# Altium PCB CC_V1.4.PcbDoc (part 1 of 8)
Units mm, origin at the board's own origin, x right, y up, seen from the top; angles counter-clockwise.
Board outline 145 x 123.85 mm, 4 copper layers (Top, GND, Power Plane, Bottom), stack 1.573 mm thick; 334 components, 307 nets, 1570 pads, 1725 vias.
Unrouted connection lines stored in the file: 33.
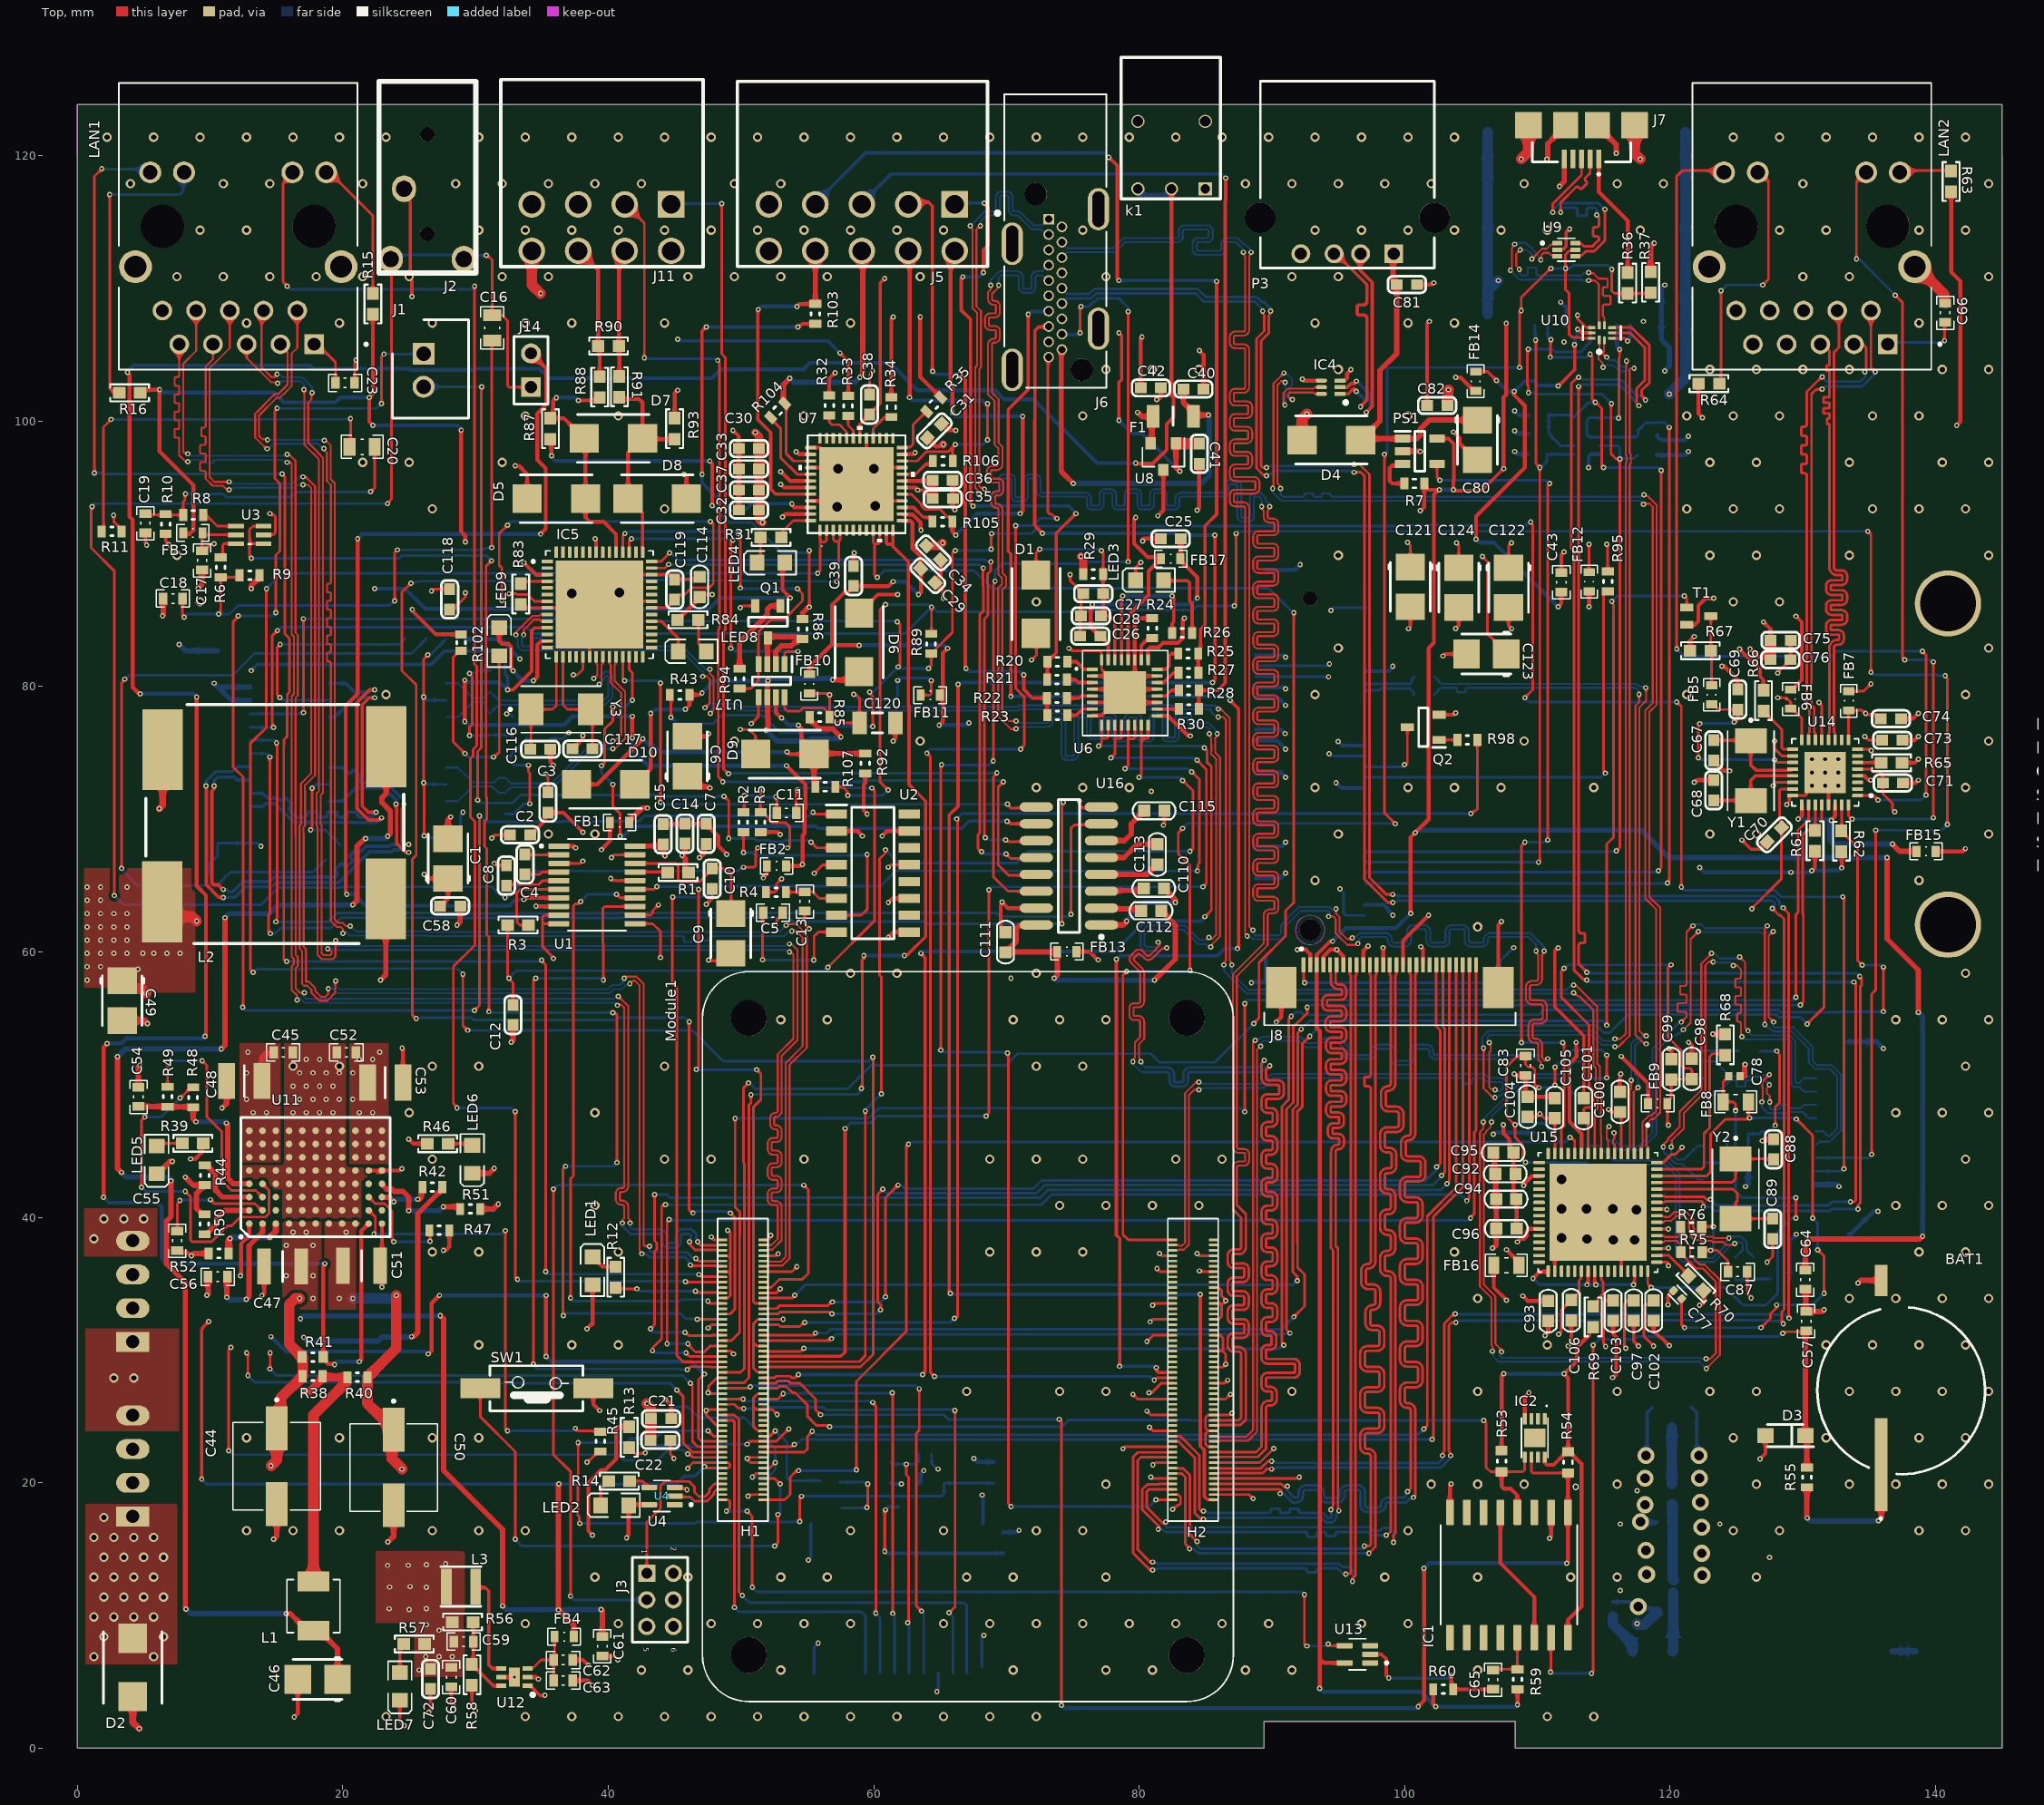
[diagram p0: Top view]
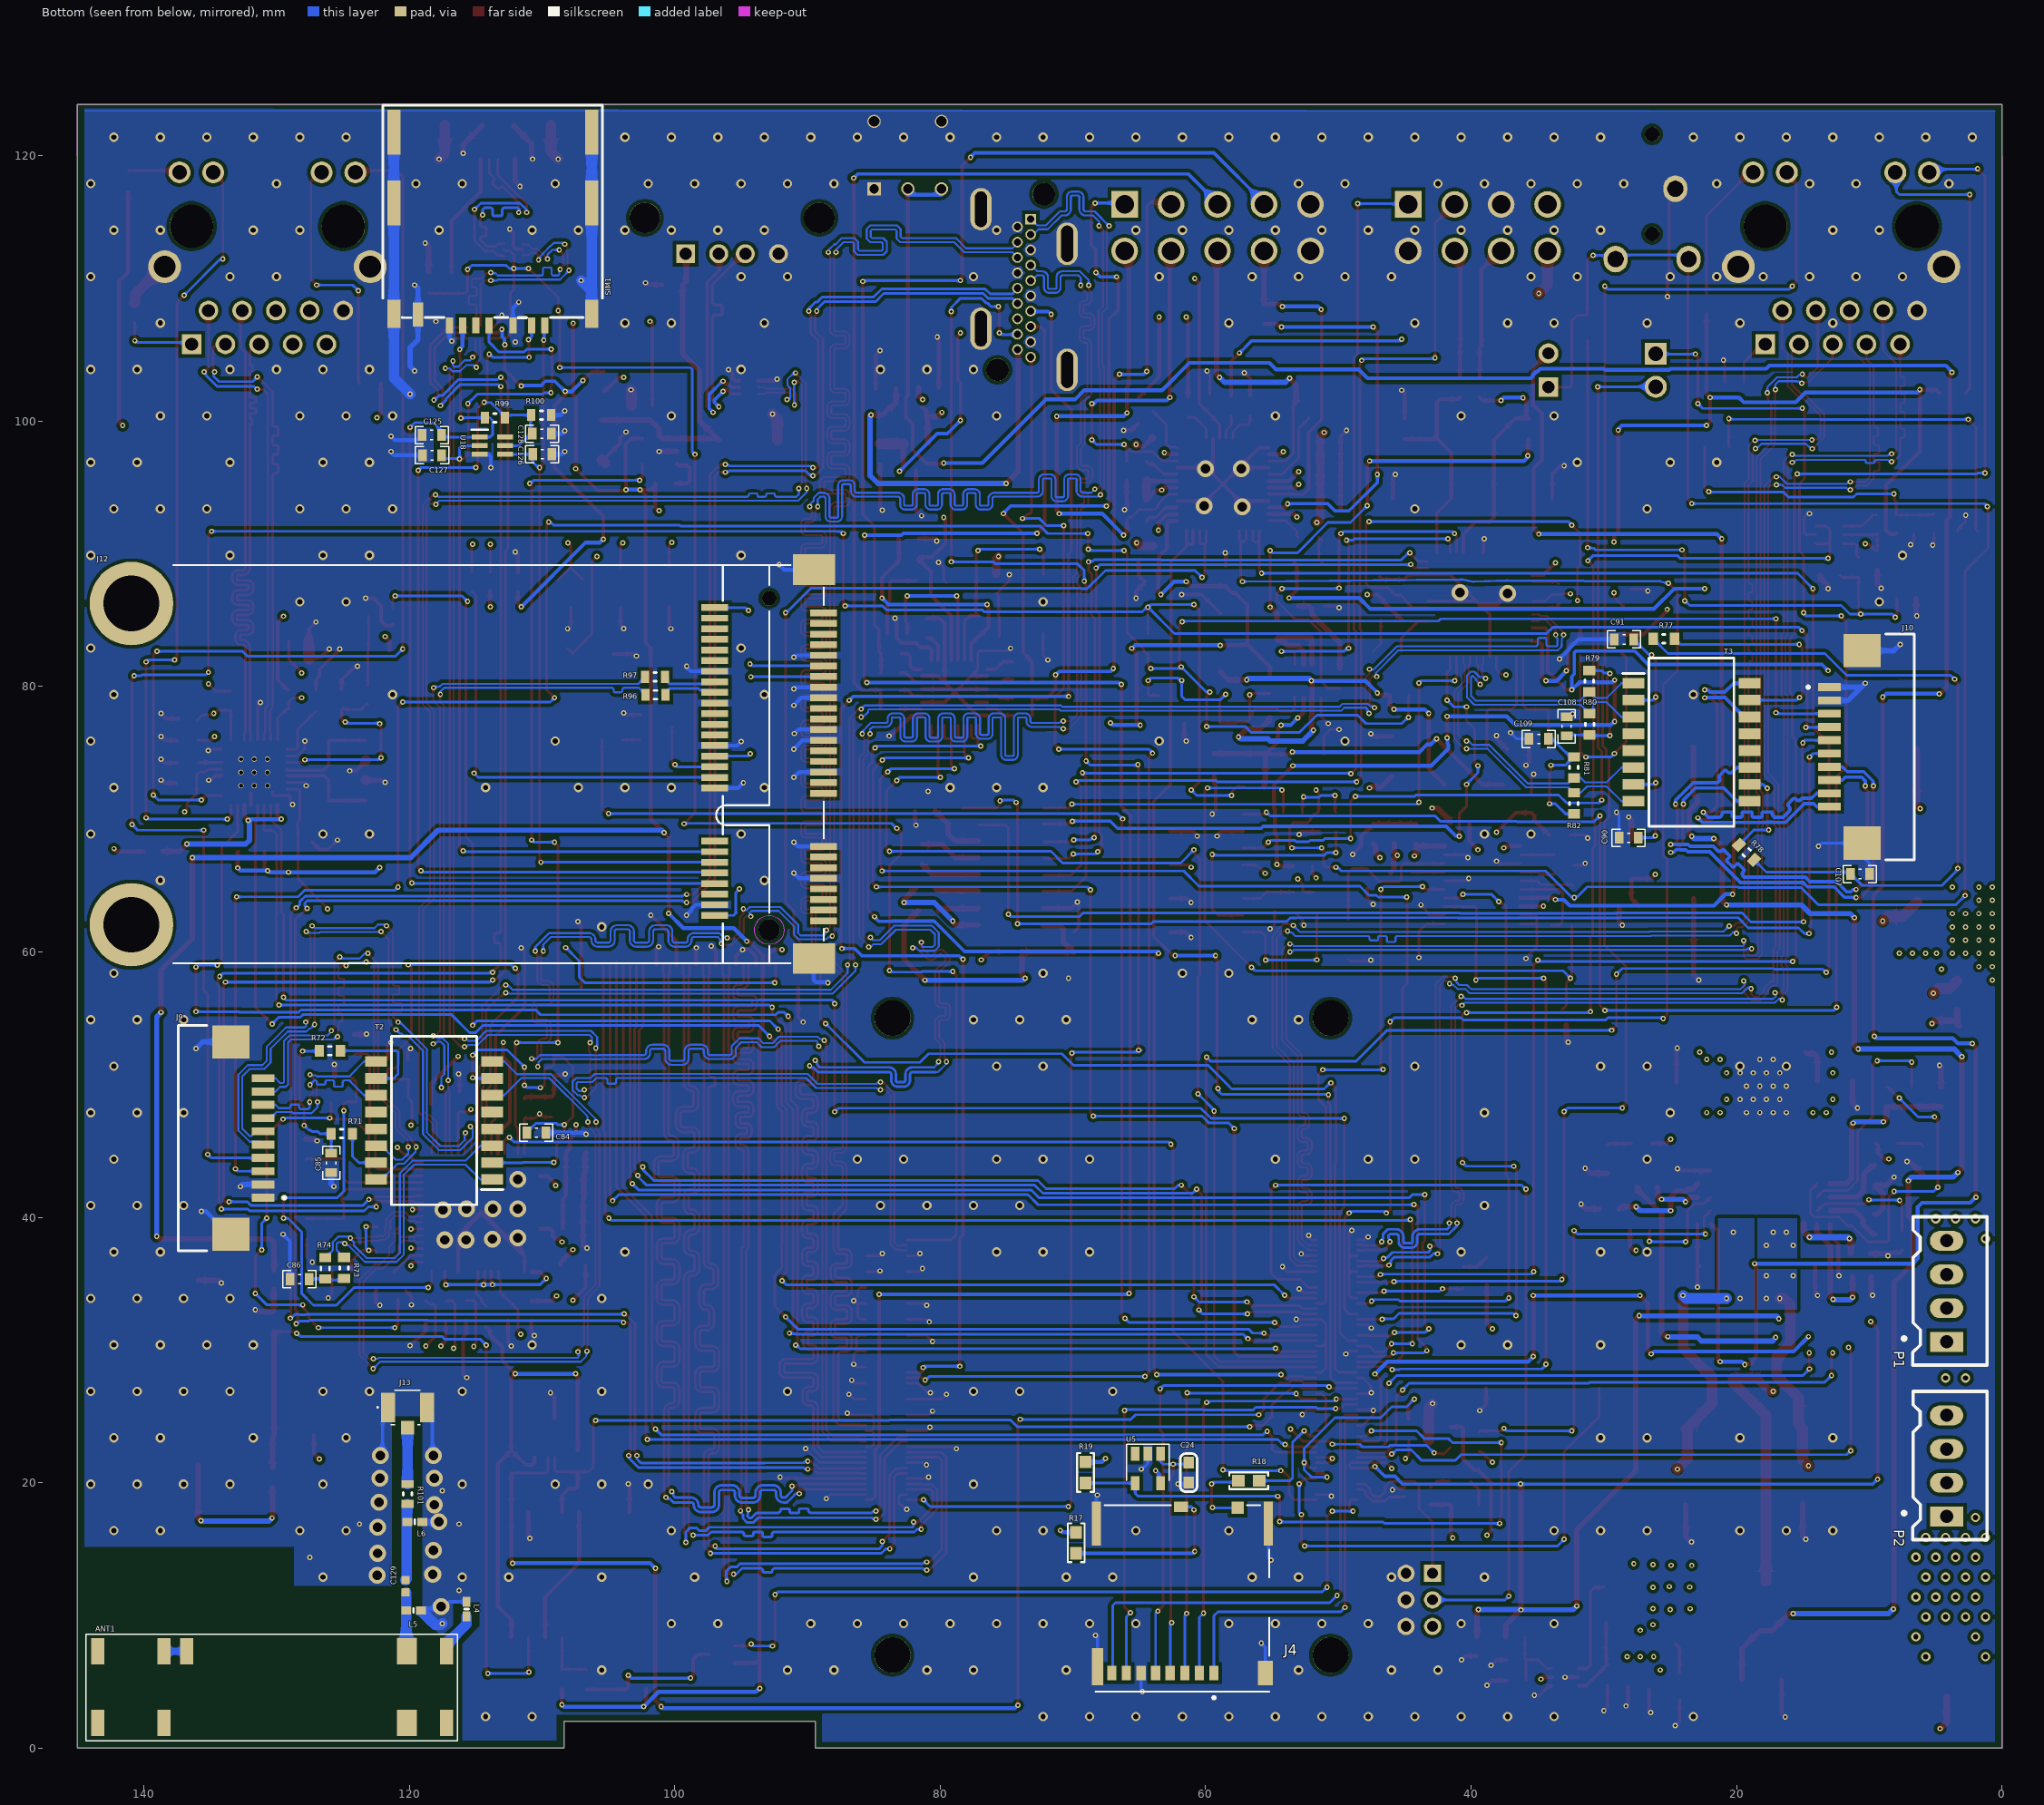
[diagram p1: Bottom view, seen from below]
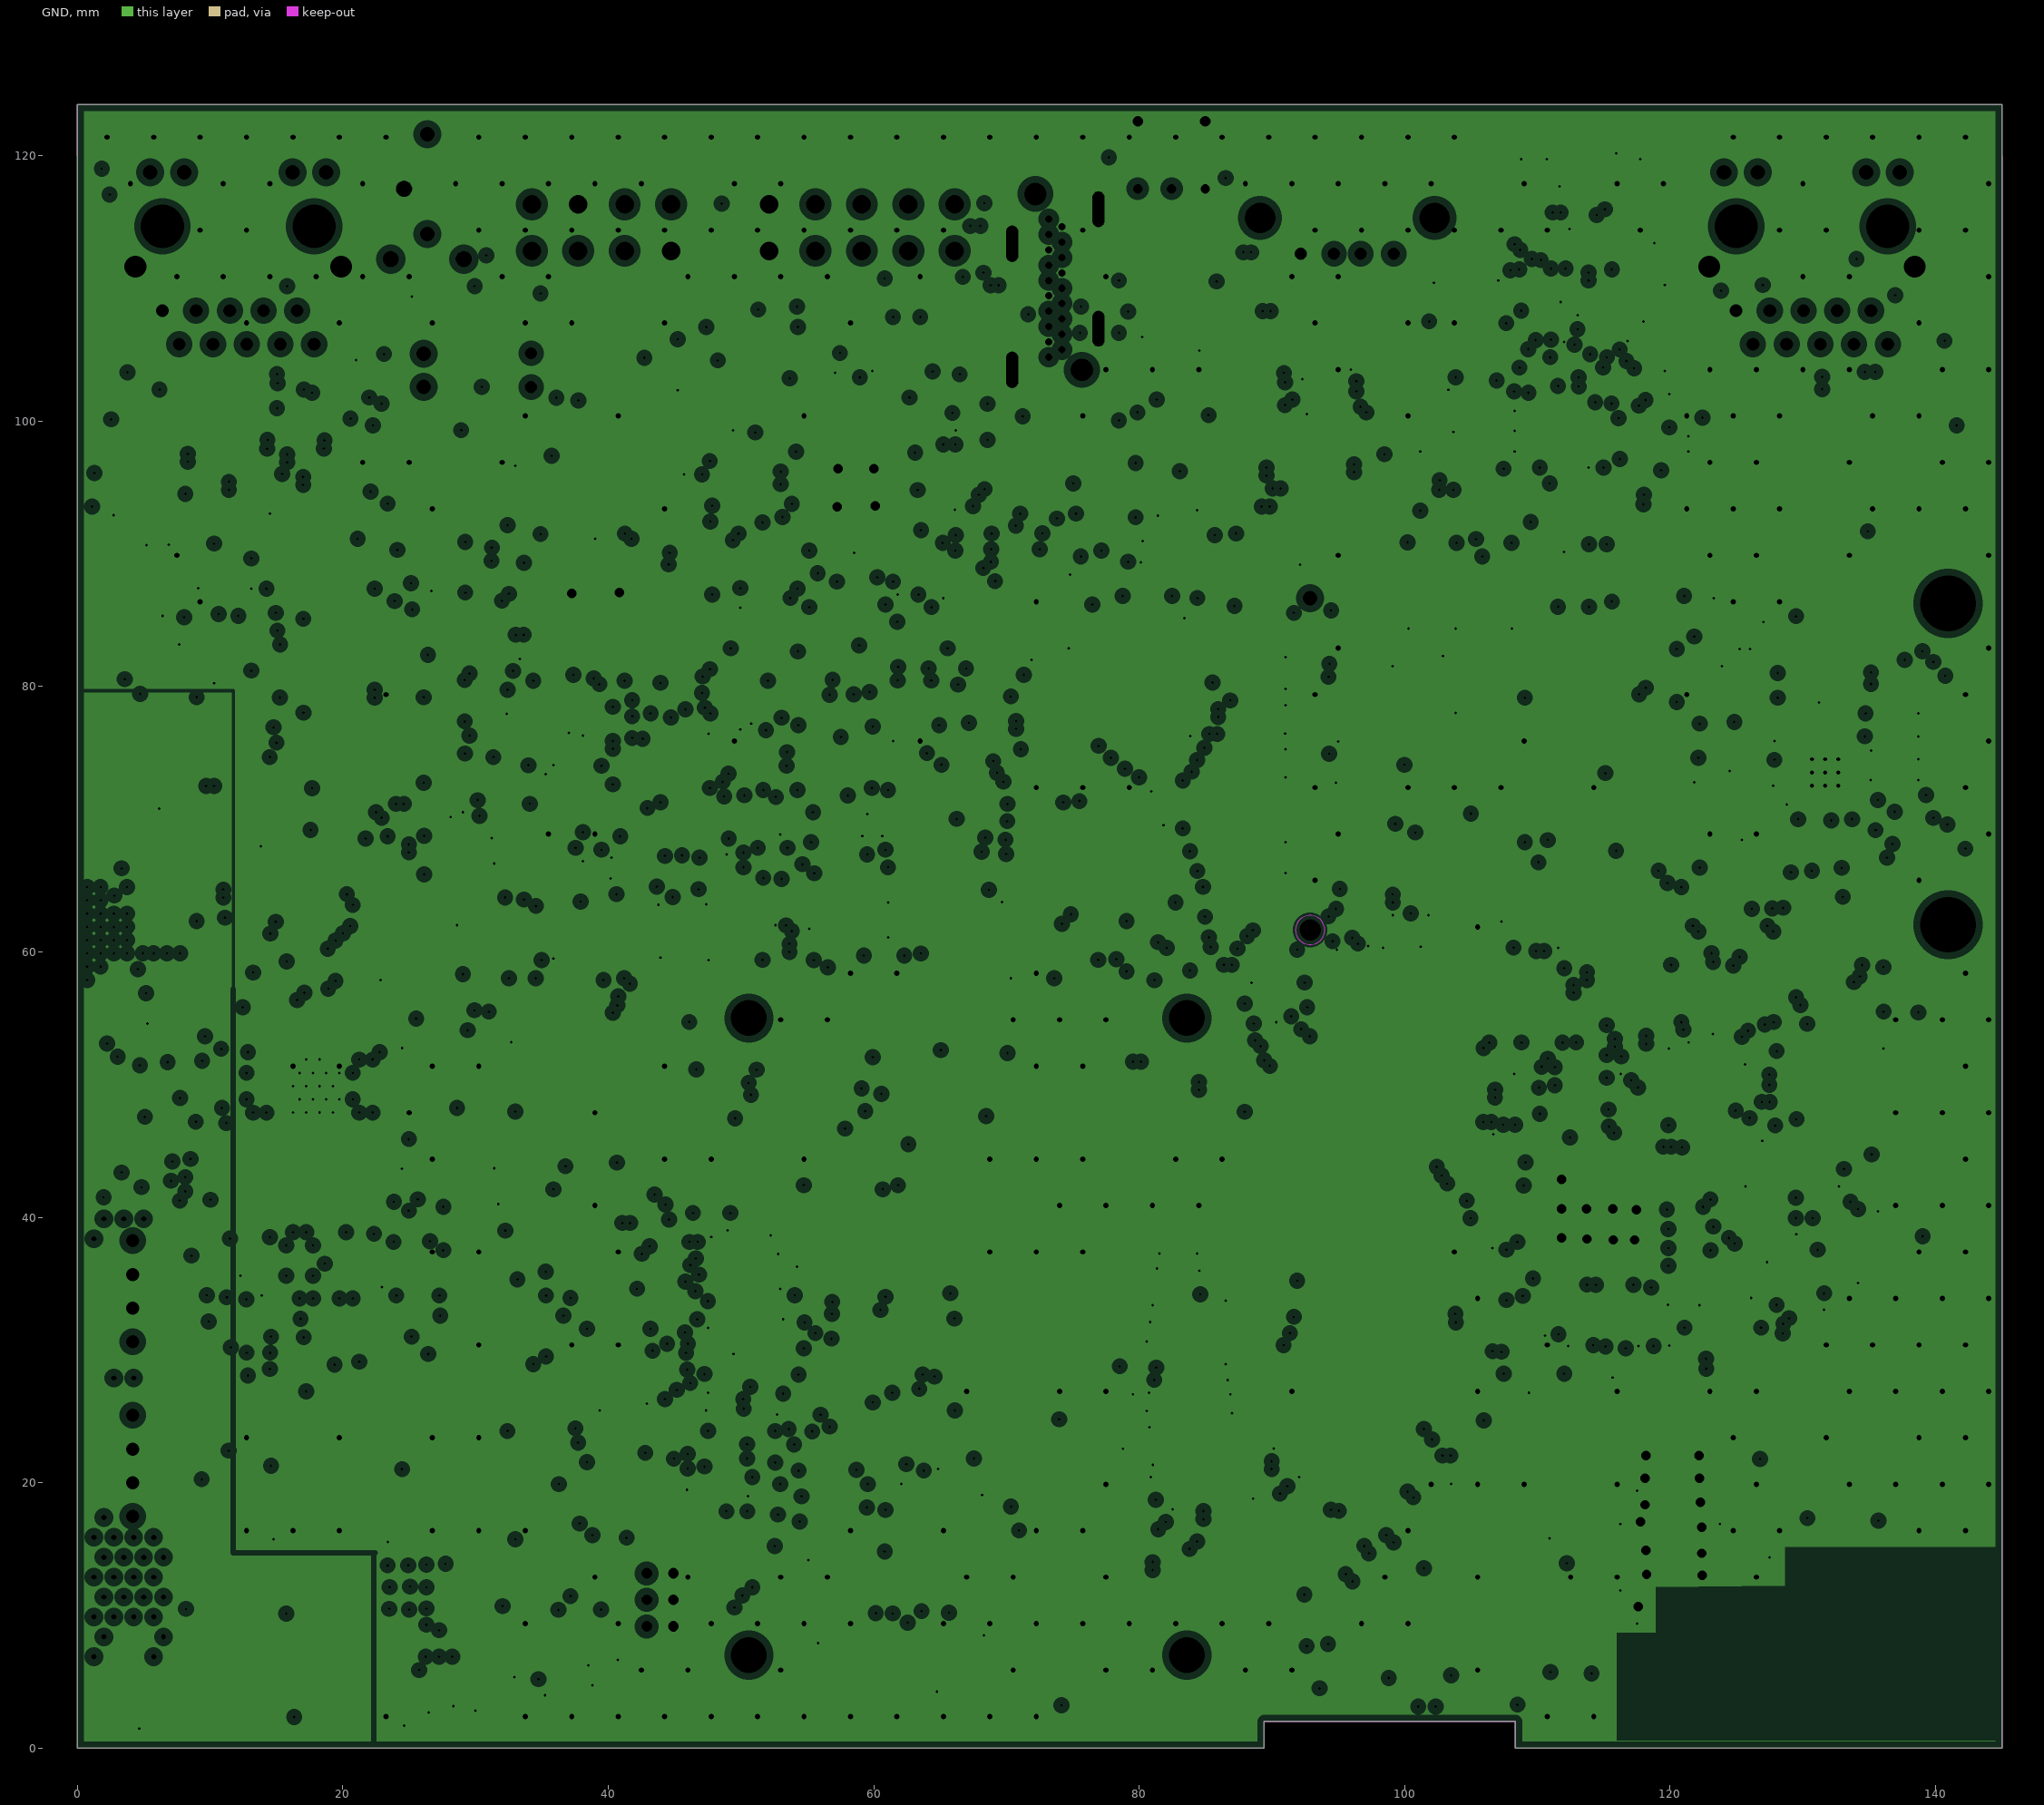
[diagram p2: GND, clearances drawn from the general rule]